# Altium PCB BB.PcbDoc (part 4 of 6)
Units mm, origin at the board's own origin, x right, y up, seen from the top; angles counter-clockwise.
Board outline 170.18 x 88.9 mm, 4 copper layers (Component Side, Ground Plane, Power Plane, Solder Side), stack 1.554 mm thick; 420 components, 358 nets, 1634 pads, 962 vias.
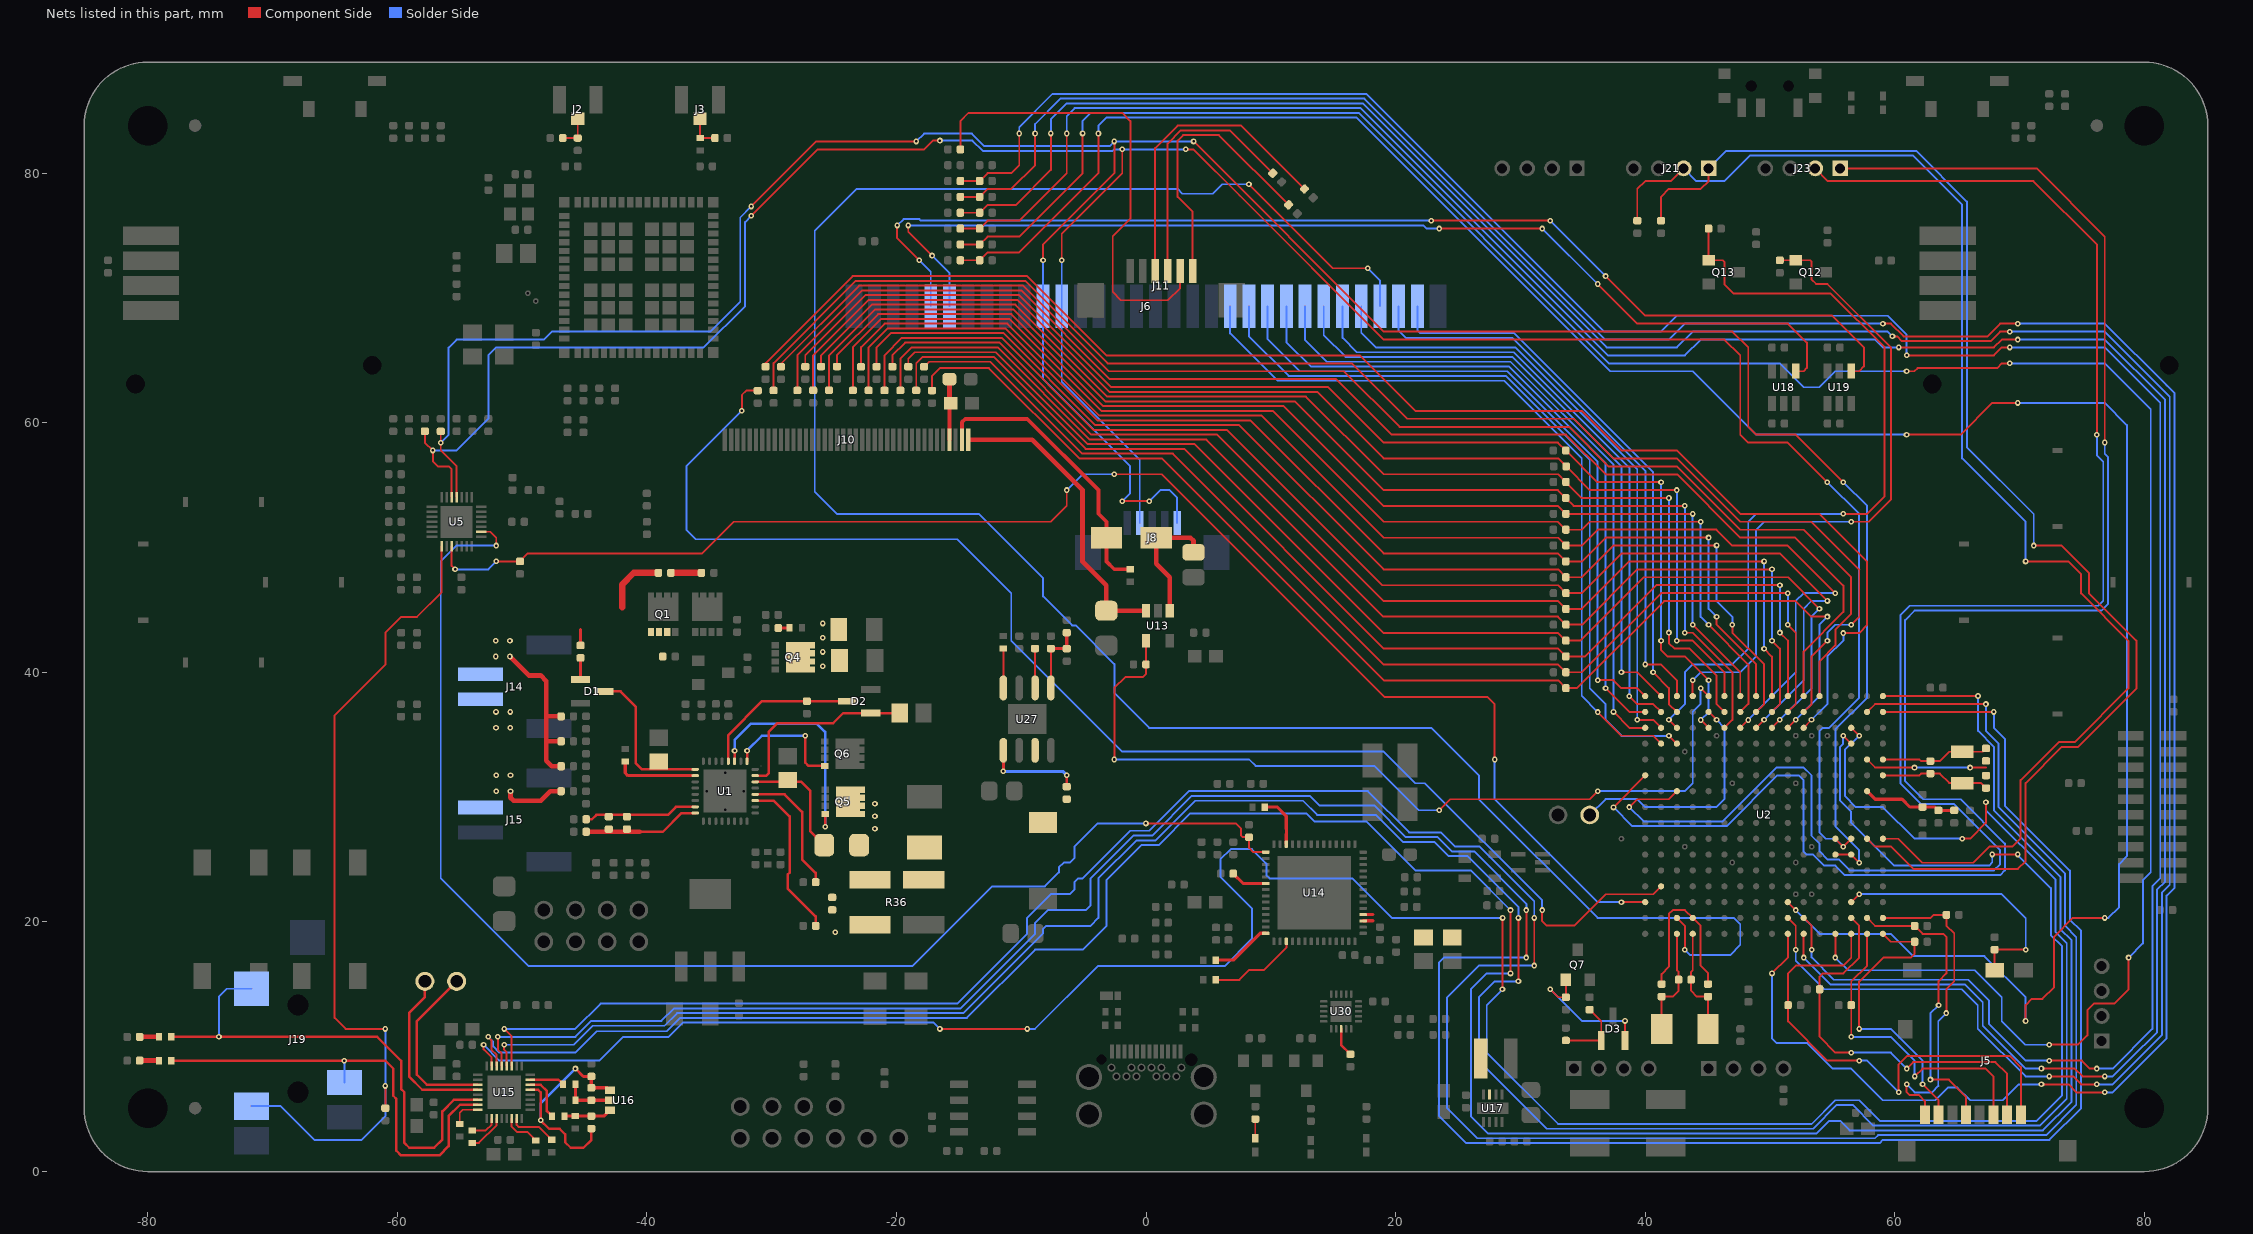
[diagram p6: the nets of this part, all layers, seen from the top]

## Via types
v1: diameter 0.457, hole 0.203, Component Side to Solder Side, tented both sides, 907 vias
v2: diameter 0.5, hole 0.203, Component Side to Solder Side, 32 vias
v3: diameter 0.61, hole 0.254, Component Side to Solder Side, tented both sides, 9 vias
v4: diameter 0.5, hole 0.203, Component Side to Solder Side, tented both sides, 8 vias
v5: diameter 0.457, hole 0.203, Component Side to Solder Side, 6 vias

## Nets (pads, with @x,y where several pads share a name; then routed paths per layer and width w, separated by ;. In a path a pad name is that pad's centre, name@x,y a point inside that pad or via, vN(x,y) a via of type N, cw(c..) or ccw(c..) an arc to the next point about the centre after c; other vN are vias at no path point) (continued)
GPIO6: J23.1 U2.T6 | length 139.1
  Component Side w0.152: v1(37.465,29.178) 37.465,29.21 U2.T6@40.005,31.75 ; J23.1@55.626,80.391 71.365,80.391 76.835,74.921 v1(76.835,58.424)
  Solder Side w0.152: v1(37.465,29.178) 38.957,27.686 46.536,27.686 50.6,31.75 52.324,31.75 52.688,31.386 52.688,25.671 52.959,25.4 53.467,25.4 54.357,24.51 55.247,24.51 56.008,23.749 68.453,23.749 68.834,24.13 68.834,26.284 65.281,29.837 62.274,29.837 60.833,31.278 60.833,44.196 61.597,44.96 76.583,44.96 77.089,45.466 77.089,57.277 76.835,57.531 v1(76.835,58.424)
GPIO7: J23.2 U2.P7 | length 138.6
  Component Side w0.152: v1(38.735,29.21) 39.36,29.835 41.9,29.835 U2.P7@42.545,30.48 ; J23.2@53.626,80.391 54.642,79.375 71.12,79.375 76.2,74.295 v1(76.2,59.055)
  Solder Side w0.152: v1(38.735,29.21) 39.878,28.067 46.201,28.067 50.527,32.394 52.688,32.394 53.331,31.75 53.331,26.924 53.975,26.28 53.975,25.653 54.609,25.019 55.507,25.019 56.396,24.13 67.945,24.13 68.453,24.638 68.453,25.759 64.77,29.442 62.136,29.442 60.452,31.126 60.452,44.577 61.214,45.339 76.318,45.339 76.708,45.729 76.708,56.896 76.2,57.404 v1(76.2,59.055)
GPIO_INT_N: R69.2 U2.T14 U5.10 | length 119.9
  Component Side w0.152: U5.10@-55.645,50.095 -55.645,48.533 v1(-55.372,48.26) ; v1@-52.07,48.895 R69.2@-50.17,48.895 -49.535,49.53 -35.56,49.53 -33.02,52.07 -7.629,52.07 -6.352,53.347 v1(-6.352,54.612) ; v1(-2.544,55.88) 1.264,55.88 19.102,38.042 27.344,38.042 27.94,37.446 v1(27.94,33.02) ; v1(38.1,21.59) U2.T14@40.005,21.59
  Solder Side w0.152: v1(-55.372,48.26) -52.705,48.26 v1(-52.069,48.896) ; v1(-6.352,54.612) -5.084,55.88 v1(-2.544,55.88) ; v1(27.94,33.02) 27.94,29.842 36.192,21.59 v1(38.1,21.59)
HIDRV: Q5.4 U1.27 | length 18.4
  Component Side w0.203: U1.27@-32.973,32.88 v1(-32.973,33.73) ; v1(-25.708,27.64) Q5.4@-25.708,28.655
  Solder Side w0.203: v1(-32.973,33.73) -32.973,34.591 -31.689,35.875 -26.35,35.875 -25.708,35.233 v1(-25.708,27.64)
HP_DETECT_N: J19.4 R130.2 U5.8 | length 67.9
  Component Side w0.152: R130.2@-60.96,5.08 v1(-60.96,6.858) ; v1(-60.96,11.43) -64.135,11.43 -65.024,12.319 -65.024,36.568 -60.96,40.632 -60.96,43.188 -59.698,44.45 -58.42,44.45 -56.445,46.425 U5.8@-56.445,50.095
  Solder Side w0.152: J19.4@-71.695,5.25 -69.356,5.25 -66.646,2.54 -62.865,2.54 -60.96,4.445 v1(-60.96,6.858) v1(-60.96,11.43)
HSRN: C39.1 C41.1 R36.4 U1.19 | length 13
  Component Side w0.203: U1.19@-31.323,29.73 -29.845,29.73 -28.567,28.452 -28.567,23.944 -28.723,23.788 -28.723,22.692 -26.47,20.439 C41.1@-26.47,19.688
  other v1: -24.892,19.188
HSRP: C39.2 C40.1 R36.3 U1.20 | length 10.4
  Component Side w0.203: U1.20@-31.323,30.23 -28.964,30.23 -27.559,28.825 -27.559,25.019 -26.47,23.93 C40.1@-26.47,23.188
I2C0_SCL: J6.21 J8.4 R50.2 U2.C10 U2.D10 U5.26 | length 220.3
  Component Side w0.152: R50.2@-57.785,59.325 -57.785,58.42 v1(-57.15,57.785) -57.125,57.76 -57.125,56.896 -56.744,56.515 -55.88,56.515 -55.645,56.28 U5.26@-55.645,54.045 ; v1(-31.623,76.598) -26.308,81.912 -17.783,81.912 -17.076,82.619 v1(-16.51,82.619) ; v1(-6.753,73.025) -6.753,75.155 -1.899,80.009 v1(-1.899,81.912) ; v1(3.175,81.915) 3.803,81.915 7.493,78.225 7.493,78.232 19.05,66.675 36.195,66.675 46.355,66.675 47.625,65.405 47.625,59.055 48.26,58.42 51.426,58.42 v1(54.601,55.245) ; U2.D10@55.245,26.67 v1(55.88,26.035) U2.C10@56.515,26.67
  Solder Side w0.152: v1(-57.15,57.785) -55.245,57.785 -52.705,60.325 -52.705,65.413 -52.078,66.04 -35.438,66.04 -32.131,69.347 -32.131,76.09 v1(-31.623,76.598) ; v1(-16.51,82.619) -13.912,82.619 -13.081,81.788 -2.666,81.788 -2.542,81.912 v1(-1.899,81.912) -1.897,81.915 v1(3.175,81.915) ; v1(-6.753,73.025) J6.21@-6.753,69.342 -6.753,63.276 -0.5,57.023 J8.4@-0.5,51.975 ; 53.967,27.178 54.475,26.67 55.245,26.67 v1(55.88,26.035) ; 53.975,27.178 53.975,35.306 54.229,35.56 54.738,35.56 57.15,37.972 57.15,52.697 v1(54.601,55.245)
I2C0_SDA: J6.22 J8.1 R49.2 U2.C11 U2.D11 U5.25 | length 228.8
  Component Side w0.152: R49.2@-56.515,59.317 v1(-56.515,58.411) -56.515,57.785 -55.245,56.515 U5.25@-55.245,54.045 ; v1(-31.623,77.343) -26.416,82.55 v1(-18.415,82.55) ; v1(-8.252,73.025) -8.252,74.298 -2.54,80.01 v1@-2.54,82.55 ; v1(-1.899,53.721) v1(0.254,53.721) ; v1(3.81,82.55) 19.05,67.31 36.195,67.31 46.99,67.31 48.26,66.04 48.26,59.69 48.895,59.055 52.07,59.055 v1(55.88,55.245) ; U2.D11@55.245,25.4 56.5,25.4 v1(57.15,24.75)
  Solder Side w0.152: v1(-56.515,58.411) -55.887,59.039 -55.887,66.033 -55.245,66.675 -48.26,66.675 -47.625,67.31 -34.917,67.31 -32.512,69.715 -32.512,76.454 v1(-31.623,77.343) ; v1(-18.415,82.55) -17.782,83.183 -13.959,83.183 -12.945,82.169 -2.923,82.169 v1(-2.542,82.55) v1(3.81,82.55) ; v1(-8.252,73.025) J6.22@-8.252,69.342 -8.252,63.506 -1.272,56.525 -1.272,54.348 v1(-1.899,53.721) ; v1(0.254,53.721) 1.145,54.612 1.903,54.612 2.5,54.015 J8.1@2.5,51.975 ; v1(55.88,55.245) 57.785,53.34 57.785,37.973 55.247,35.435 55.247,27.67 55.677,27.24 57.15,25.767 v1(57.15,24.75)
I2C2_SCL: J21.1 R95.2 U2.B10 | length 108.4
  Component Side w0.152: R95.2@41.275,76.2 41.275,78.105 41.91,78.74 44.45,78.74 45.085,79.375 J21.1@45.085,80.391 ; U2.B10@57.785,26.67 58.42,26.035 59.72,26.035 61.498,24.257 69.865,24.257 70.485,24.877 70.485,31.124 73.397,34.036 74.702,34.036 79.375,38.709 79.375,42.545 75.565,46.355 75.565,47.987 73.387,50.165 v1(71.139,50.165)
  Solder Side w0.152: J21.1@45.085,80.391 46.482,81.788 61.722,81.788 65.786,77.724 65.786,58.046 71.139,52.693 v1(71.139,50.165)
I2C2_SDA: J21.2 R96.2 U2.A10 | length 107.4
  Component Side w0.152: R96.2@39.37,76.2 39.37,78.74 40.005,79.375 42.069,79.375 J21.2@43.085,80.391 ; U2.A10@59.055,26.67 60.277,26.67 62.201,24.746 66.284,24.746 67.573,26.035 69.406,26.035 70.096,26.725 70.096,31.369 73.143,34.417 74.426,34.417 78.723,38.714 78.723,42.536 74.93,46.329 74.93,47.879 73.914,48.895 v1(70.485,48.895)
  Solder Side w0.152: J21.2@43.085,80.391 44.101,79.375 46.355,79.375 48.387,81.407 61.468,81.407 65.405,77.47 65.405,57.143 70.485,52.063 v1(70.485,48.895)
I2C_USB_IRQ_N: R150.2 U5.16 U14.43 | length 108.7
  Component Side w0.152: U5.16@-53.27,51.27 -52.54,51.27 -52.07,50.8 v1(-52.07,50.165) ; v1(-0.002,27.896) 7.183,27.896 7.62,27.459 7.62,26.924 7.747,26.797 R150.2@8.255,26.797 8.255,25.931 8.594,25.592 U14.43@9.594,25.592
  Solder Side w0.152: v1(-52.07,50.165) -55.26,50.165 -56.515,48.91 -56.515,23.495 -49.482,16.462 -18.717,16.462 -12.328,22.851 -8.1,22.851 -6.985,23.966 -6.985,24.368 -6.588,24.765 -6.091,24.765 -5.74,25.116 -5.74,26.01 -3.854,27.896 v1(-0.002,27.896)
LCD_AC_BIAS_EN: R123.1 U2.E1 | length 108.9
  Component Side w0.152: R123.1@-29.25,64.5 -29.25,64.74 -22.99,71 -9.838,71 -2.973,64.135 15.864,64.135 20.319,59.68 33.919,59.68 37.103,56.496 42.568,56.496 47.629,51.435 52.705,51.435 56.506,47.634 56.506,44.684 55.251,43.429 55.251,42.171 53.975,40.895 U2.E1@53.975,38.1
LCD_DATA0: R5.2 R93.1 U2.G3 | length 97.5
  Component Side w0.152: R93.1@-17.145,62.586 -17.145,63.754 -16.51,64.389 -12.589,64.389 -5.35,57.15 1.259,57.15 19.05,39.359 33.031,39.359 R5.2@33.655,38.735 34.535,38.735 41.52,45.72 52.073,45.72 53.316,44.477 v1(54.609,44.477) ; U2.G3@51.426,35.56 v1(52.061,36.195)
  Solder Side w0.152: v1(52.061,36.195) 53.967,38.1 53.967,43.834 v1(54.609,44.477)
LCD_DATA1: R4.2 R94.1 U2.G2 | length 92.4
  Component Side w0.152: R94.1@-17.78,64.5 -17.383,64.897 -12.462,64.897 -5.096,57.531 2.148,57.531 19.03,40.649 33.015,40.649 R4.2@33.655,40.009 34.932,40.009 41.274,46.351 v1(51.434,46.351) ; U2.G2@51.435,36.83 52.07,37.465 52.07,43.167 51.434,43.803 v1(51.434,43.811)
  Solder Side w0.152: v1(51.434,43.811) v1(51.434,46.351)
LCD_DATA2: R3.2 R128.1 U2.G1 | length 93.1
  Component Side w0.152: R128.1@-18.415,62.595 -18.415,64.77 -17.907,65.278 -12.208,65.278 -4.842,57.912 3.048,57.912 19.05,41.91 33.017,41.91 R3.2@33.644,41.284 35.192,41.284 40.899,46.99 v1(50.799,46.99) ; v1(50.799,43.192) 51.435,42.556 U2.G1@51.435,38.1
  Solder Side w0.152: v1(50.799,43.192) v1(50.799,46.99)
LCD_DATA3: R16.1 R141.1 U2.H3 | length 97.7
  Component Side w0.152: R141.1@-19.05,64.5 -19.05,65.151 -18.542,65.659 -12.05,65.659 -4.684,58.293 3.9,58.293 19.038,43.154 33.035,43.154 R16.1@33.644,42.545 34.798,42.545 39.878,47.625 51.453,47.625 v1(53.967,45.112) ; U2.H3@50.156,35.56 v1(50.791,36.195)
  Solder Side w0.152: v1(50.791,36.195) 53.34,38.744 53.34,44.485 v1(53.967,45.112)
LCD_DATA4: R2.2 R142.1 U2.H2 | length 95.8
  Component Side w0.152: R142.1@-19.685,62.595 -19.685,65.146 -18.785,66.046 -11.89,66.046 -4.494,58.65 4.846,58.65 19.02,44.477 33.001,44.477 R2.2@33.655,43.823 34.941,43.823 39.378,48.26 v1(50.165,48.26) ; U2.H2@50.165,36.83 50.8,37.465 50.8,41.91 v1(50.165,42.545)
  Solder Side w0.152: v1(50.165,42.545) v1(50.165,48.26)
LCD_DATA5: R15.1 R143.1 U2.H1 | length 92.7
  Component Side w0.152: R143.1@-20.326,64.5 -20.326,65.398 -19.303,66.421 -11.734,66.421 -4.368,59.055 5.709,59.055 19.044,45.72 33.02,45.72 R15.1@33.655,45.085 34.932,45.085 38.742,48.895 v1(49.53,48.895) ; v1(49.53,41.901) 50.165,41.266 U2.H1@50.165,38.1
  Solder Side w0.152: v1(49.53,41.901) v1(49.53,48.895)
LCD_DATA6: R14.1 R144.1 U2.J3 | length 103.6
  Component Side w0.152: R144.1@-20.955,62.595 -20.955,65.411 -19.564,66.802 -11.577,66.802 -4.211,59.436 6.475,59.436 18.93,46.981 33.025,46.981 R14.1@33.655,46.351 34.928,46.351 38.099,49.522 50.817,49.522 v1(54.61,45.729) ; U2.J3@48.895,35.56 v1(49.53,36.195)
  Solder Side w0.152: v1(49.53,36.195) 52.707,39.372 52.707,45.104 53.331,45.729 v1(54.61,45.729)
LCD_DATA7: R13.1 R145.1 U2.J2 | length 93.7
  Component Side w0.152: R145.1@-21.59,64.5 -21.59,66.04 -20.447,67.183 -11.419,67.183 -4.053,59.817 7.476,59.817 19.038,48.255 33.025,48.255 R13.1@33.655,47.625 34.921,47.625 37.472,50.176 v1(45.72,50.176) ; v1(46.99,43.811) 46.99,43.18 49.53,40.64 49.53,37.465 U2.J2@48.895,36.83
  Solder Side w0.152: v1(45.72,50.176) 45.72,45.72 46.99,44.45 v1(46.99,43.811)
LCD_DATA8: R12.1 R146.1 U2.J1 | length 94.2
  Component Side w0.152: R146.1@-22.225,62.595 -22.225,66.04 -20.701,67.564 -11.261,67.564 -3.895,60.198 8.371,60.198 19.039,49.53 33.009,49.53 R12.1@33.644,48.895 34.941,48.895 36.854,50.807 v1(45.085,50.807) ; v1(45.72,44.45) 45.72,43.823 48.895,40.648 U2.J1@48.895,38.1
  Solder Side w0.152: v1(45.085,50.807) 45.085,45.085 v1(45.72,44.45)
LCD_DATA9: R11.1 R151.1 U2.K3 | length 105.9
  Component Side w0.152: R151.1@-22.838,64.5 -22.838,66.062 -20.955,67.945 -11.103,67.945 -3.737,60.579 9.26,60.579 19.047,50.792 33.04,50.792 R11.1@33.655,50.176 34.943,50.176 36.213,51.446 45.709,51.446 46.99,50.165 51.431,50.165 v1(55.245,46.351) ; U2.K3@47.625,35.551 v1(48.26,36.186)
  Solder Side w0.152: v1(48.26,36.186) 52.07,39.996 52.07,45.729 52.692,46.351 v1(55.245,46.351)
LCD_DATA10: R10.1 R152.1 U2.K2 | length 96.7
  Component Side w0.152: R152.1@-23.495,62.595 -23.495,66.04 -21.209,68.326 -10.945,68.326 -3.579,60.96 10.149,60.96 19.039,52.07 33.009,52.07 R10.1@33.644,51.435 34.921,51.435 35.556,52.07 v1(44.45,52.07) ; v1(45.085,43.811) 48.27,40.625 48.27,37.475 U2.K2@47.625,36.83
  Solder Side w0.152: v1(44.45,52.07) 44.45,44.446 v1(45.085,43.811)
LCD_DATA11: R9.1 R163.1 U2.K1 | length 93.6
  Component Side w0.152: R163.1@-24.765,64.509 -24.765,65.413 -21.471,68.707 -10.788,68.707 -3.422,61.341 11.038,61.341 19.031,53.347 33.016,53.347 R9.1@33.655,52.709 33.667,52.696 v1(43.806,52.696) ; v1(43.806,43.815) 47.625,39.996 U2.K1@47.625,38.1
  Solder Side w0.152: v1(43.806,43.815) v1(43.806,52.696)
LCD_DATA12: R8.1 R173.1 U2.L3 | length 99.4
  Component Side w0.152: R173.1@-25.4,62.604 -25.4,65.4 -21.712,69.088 -10.63,69.088 -3.264,61.722 11.927,61.722 19.039,54.61 33.009,54.61 R8.1@33.644,53.975 34.271,53.347 v1(43.18,53.347) ; v1(43.18,43.18) 43.815,43.18 46.99,40.005 46.99,36.195 U2.L3@46.355,35.56
  Solder Side w0.152: v1(43.18,43.18) v1(43.18,53.347)
LCD_DATA13: R7.1 R174.1 U2.L2 | length 96.6
  Component Side w0.152: R174.1@-26.035,64.509 -26.035,65.414 -21.98,69.469 -10.472,69.469 -3.106,62.103 12.816,62.103 19.039,55.88 33.028,55.88 R7.1@33.655,55.253 34.933,53.975 v1(41.91,53.975) ; v1(41.91,43.192) 41.91,42.345 42.353,41.901 43.57,41.901 45.72,39.751 45.72,37.465 U2.L2@46.355,36.83
  Solder Side w0.152: v1(41.91,43.192) v1(41.91,53.975)
LCD_DATA14: R1.2 R175.1 U2.L1 | length 99
  Component Side w0.152: R175.1@-26.67,62.604 -26.67,65.415 -22.235,69.85 -10.314,69.85 -2.948,62.484 13.705,62.484 19.039,57.15 33.032,57.15 R1.2@33.667,56.515 35.572,54.61 v1(42.54,54.61) ; v1(42.54,42.545) 43.806,42.545 46.355,39.996 U2.L1@46.355,38.1
  Solder Side w0.152: v1(42.54,42.545) v1(42.54,54.61)
LCD_DATA15: R6.1 R176.1 U2.M3 | length 100.3
  Component Side w0.152: R176.1@-27.305,64.509 -27.305,65.415 -22.489,70.231 -10.156,70.231 -2.79,62.865 14.594,62.865 19.039,58.42 33.009,58.42 R6.1@33.644,57.785 36.175,55.253 v1@41.275,55.253 ; v1(41.275,42.545) 41.275,41.783 41.774,41.284 43.172,41.284 v1(45.085,39.37) ; v1(44.45,36.186) U2.M3@45.085,35.551
  Solder Side w0.152: v1(41.275,42.545) v1(41.275,55.245) ; v1(44.45,36.186) 45.085,36.821 v1(45.085,39.37)
LCD_ENABLE: R177.1 U2.R13 | length 109.8
  Component Side w0.152: v1(-32.385,60.96) -32.385,62.23 -32.029,62.586 R177.1@-31.115,62.586 ; v1(31.75,20.955) 31.75,20.065 32.1,19.715 34.318,19.715 36.828,22.225 40.64,22.225 U2.R13@41.275,22.86
  Solder Side w0.152: v1(-32.385,60.96) -36.838,56.507 -36.838,51.435 -36.071,50.667 -15.107,50.667 -10.795,46.355 -10.795,42.54 -1.91,33.655 19.05,33.655 21.59,31.115 22.357,31.115 31.75,21.722 v1(31.75,20.955)
LCD_HSYNC: R179.1 U2.F2 | length 115.5
  Component Side w0.152: R179.1@-29.845,62.595 -29.845,64.78 -23.251,71.374 -9.683,71.374 -3.079,64.77 16.499,64.77 20.944,60.325 34.283,60.325 37.458,57.15 42.545,57.15 47.625,52.07 53.323,52.07 57.166,48.227 ; U2.F2@52.705,36.83 53.34,37.465 53.34,41.275 v1(54.61,42.545) ; v1(56.515,43.815) 57.159,44.459 57.159,48.22
  Solder Side w0.152: v1(54.61,42.545) 54.61,43.187 55.238,43.815 v1(56.515,43.815)
LCD_PCLK: R180.1 U2.F1 | length 108.8
  Component Side w0.152: R180.1@-27.94,62.595 -27.94,65.415 -22.74,70.615 -9.997,70.615 -2.891,63.509 15.232,63.509 19.685,59.055 33.655,59.055 36.842,55.868 42.557,55.868 47.618,50.807 52.03,50.807 55.88,46.957 55.88,44.847 52.705,41.672 U2.F1@52.705,38.1
LCD_TOUCH_INT_N: J11.5 R127.2 | length 38.2
  Component Side w0.152: R127.2@-14.875,81.912 -14.875,84.185 -14.224,84.836 -1.91,84.836 -1.247,84.173 -1.247,76.352 -2.667,74.932 -2.667,70.485 -2.007,69.825 1.753,69.825 2.728,70.8 J11.5@2.728,72.175
LCD_TOUCH_RESET_N: J11.6 R126.2 | length 22.3
  Component Side w0.152: J11.6@3.728,72.175 3.728,76.916 2.54,78.104 2.54,82.619 2.979,83.058 5.837,83.058 R126.2@11.425,77.47
LCD_TOUCH_SCL: J11.3 R124.2 | length 24.7
  Component Side w0.152: J11.3@0.728,72.175 0.728,82.008 2.54,83.82 7.62,83.82 R124.2@12.7,78.74
LCD_TOUCH_SDA: J11.4 R125.2 | length 20.5
  Component Side w0.152: J11.4@1.728,72.175 1.728,82.378 2.789,83.439 6.731,83.439 R125.2@10.16,80.01
LCD_VSYNC: R178.1 U2.F3 | length 117.1
  Component Side w0.152: R178.1@-30.48,64.5 -30.48,64.78 -23.505,71.755 -9.525,71.755 -3.175,65.405 17.137,65.405 21.582,60.96 34.925,60.96 38.1,57.785 42.545,57.785 47.621,52.709 53.971,52.709 57.794,48.886 57.794,43.803 57.145,43.154 v1(55.88,43.154) ; U2.F3@52.696,35.56 v1(53.331,36.195)
  Solder Side w0.152: v1(53.331,36.195) 54.601,37.465 54.601,41.275 55.88,42.554 v1(55.88,43.154)
LED0: Q12.1 R129.1 U2.N1 | length 53.9
  Component Side w0.152: v1(43.81,39.37) 43.81,38.105 U2.N1@43.815,38.1 ; R129.1@50.791,73.025 Q12.1@52.07,73.025 53.213,73.025 53.34,72.898 53.34,71.485 53.7,71.125 54.605,71.125 59.69,66.04 59.69,53.834 57.926,52.07 v1(56.515,52.07)
  Solder Side w0.152: v1(43.81,39.37) 44.449,40.009 47.625,40.009 48.895,41.279 48.895,51.435 49.53,52.07 v1(56.515,52.07)
LED1: Q13.1 R170.1 U2.P3 | length 65.5
  Component Side w0.152: v1(41.91,36.195) U2.P3@42.545,35.56 ; R170.1@45.085,75.565 Q13.1@45.085,73.025 46.228,73.025 46.355,72.898 46.355,71.12 47.117,70.358 54.864,70.358 59.182,66.04 59.182,54.102 57.785,52.705 v1(55.866,52.705)
  Solder Side w0.152: v1(41.91,36.195) 43.18,37.465 43.18,40.014 43.81,40.644 46.994,40.644 48.26,41.91 48.26,52.07 48.895,52.705 v1(55.866,52.705)
LED_BACKLIGHT_PWM: R106.1 U2.M1 U13.4 | length 69.1
  Component Side w0.152: v1(-2.54,33.02) -2.54,38.75 -1.666,39.624 -0.245,39.624 -0.002,39.867 R106.1@-0.002,40.64 ; R106.1@0.003,40.645 U13.4@0.003,42.545 ; v1(23.495,28.956) 24.374,29.835 35.55,29.835 v1(36.195,30.48) ; v1(44.448,38.738) U2.M1@45.085,38.1
  Component Side w0.305: R106.1@-0.002,40.64 R106.1@0.003,40.645
  Solder Side w0.152: v1(-2.54,33.02) 8.264,33.02 8.779,32.505 18.304,32.505 21.853,28.956 v1(23.495,28.956) ; v1(36.195,30.48) 43.169,30.48 43.815,31.126 43.815,36.839 44.448,37.471 v1(44.448,38.738)
LED_N: J10.1 R107.1 U13.3 | length 24.4
  Component Side w0.381: J10.1@-14.175,58.65 -9.12,58.65 -5.082,54.612 -5.082,48.886 -3.177,46.981 R107.1@-3.177,44.945 U13.3@0.003,44.945
LED_P: C49.2 D4.2 J10.2 | length 22.7
  Component Side w0.305: J10.2@-14.75,58.928 -14.75,60.053 -14.486,60.317 -9.522,60.317 -3.81,54.605 -3.81,52.709 -3.177,52.076 D4.2@-3.177,50.792 -3.177,48.895 -2.542,48.26 C49.2@-1.272,48.26
LODRV: Q6.4 U1.25 | length 9.8
  Component Side w0.203: U1.25@-31.973,32.88 v1(-31.973,33.73) ; v1(-27.305,34.925) -27.305,32.766 -27.044,32.505 Q6.4@-25.748,32.505
  Solder Side w0.203: v1(-31.973,33.73) -30.778,34.925 v1(-27.305,34.925)
MCASP0_ACLKX: U2.A1 U15.14 | length 211.2
  Component Side w0.152: v1(-52.705,10.795) -52.451,10.541 -52.451,9.76 -52.04,9.349 U15.14@-52.04,8.454 ; v1(29.21,15.875) v1(29.21,20.955) ; U2.A1@59.055,38.1 59.065,38.11 v1(66.675,38.11)
  Solder Side w0.152: v1(-52.705,10.795) -52.324,10.414 -52.324,10.033 -51.816,9.525 -45.728,9.525 -44.008,11.246 -38.39,11.246 -37.316,12.319 -14.351,12.319 -8.89,17.78 -5.08,17.78 -3.159,19.701 -3.159,23.384 -0.381,26.162 1.016,26.162 3.556,28.702 12.85,28.702 13.485,28.067 17.657,28.067 21.594,24.13 26.035,24.13 v1(29.21,20.955) ; v1(29.21,15.875) 27.305,15.875 26.035,14.605 26.035,4.445 27.432,3.048 53.721,3.048 54.737,4.064 55.626,4.064 56.388,3.302 71.882,3.302 74.168,5.588 74.168,18.528 73.279,19.417 73.279,23.622 67.945,28.956 67.945,34.036 66.675,35.306 v1(66.675,38.11)
MCASP0_AHCLKX: U2.C4 U15.15 | length 208.5
  Component Side w0.152: v1(-53.086,10.16) -53.086,9.787 -52.44,9.141 U15.15@-52.44,8.454 ; v1(-16.51,11.43) v1(-9.525,11.43) ; v1(28.566,14.605) 28.575,14.614 v1(28.575,20.32) ; v1(55.88,34.933) U2.C4@56.515,34.299 ; v1(67.818,25.414) v1(69.85,25.414)
  Solder Side w0.152: v1(-53.086,10.16) -51.816,8.89 -43.815,8.89 -41.91,10.795 -38.254,10.795 -37.114,11.935 -17.015,11.935 v1(-16.51,11.43) ; v1(-9.525,11.43) -8.895,11.43 -3.863,16.462 6.302,16.462 8.494,18.654 8.494,21.097 5.969,23.622 5.969,25.019 6.797,25.847 8.481,25.847 9.652,24.676 9.652,23.749 9.906,23.495 16.515,23.495 19.69,20.32 v1(28.575,20.32) ; v1(28.566,14.605) 28.575,14.605 27.305,13.335 27.305,9.523 33.018,3.81 53.34,3.81 55.245,5.715 57.15,5.715 58.801,4.064 71.374,4.064 73.406,6.096 73.406,18.055 72.517,18.944 72.517,22.718 v1@69.836,25.399 ; v1@55.866,34.933 55.866,34.276 55.626,34.036 55.626,29.718 56.512,28.832 56.512,27.951 59.945,24.519 67.564,24.519 67.818,24.773 v1(67.818,25.414)
MCASP0_AXR0: U2.B2 U15.11 | length 217.9
  Component Side w0.152: v1(-51.44,11.43) -50.84,10.83 U15.11@-50.84,8.454 ; v1(31.115,16.51) v1(31.115,20.323) ; U2.B2@57.785,36.83 58.42,37.465 v1(67.31,37.465)
  Solder Side w0.152: v1(-51.44,11.43) -45.735,11.43 -43.703,13.462 -15.113,13.462 -9.525,19.05 -9.525,20.32 -7.615,22.23 -6.091,22.23 -5.715,22.606 -5.715,23.206 -5.426,23.495 -5.08,23.495 -1.266,27.309 0.258,27.309 3.429,30.48 17.78,30.48 21.082,27.178 23.622,27.178 24.765,26.035 26.727,26.035 31.115,21.647 v1(31.115,20.323) ; v1(31.115,16.51) 26.67,16.51 24.13,13.97 24.13,5.08 26.543,2.667 58.42,2.667 58.674,2.921 72.136,2.921 74.549,5.334 74.549,18.784 73.651,19.682 73.651,23.87 68.326,29.195 68.326,34.29 67.31,35.306 v1(67.31,37.465)
MCASP0_AXR1: U2.C3 U15.12 | length 210.8
  Component Side w0.152: v1(-51.44,10.16) -51.44,9.776 -51.24,9.576 U15.12@-51.24,8.454 ; v1(29.845,15.24) v1(29.845,20.32) ; U2.C3@56.515,35.56 v1(57.15,34.925) ; v1(65.401,26.678) 66.052,26.678 67.31,27.936 v1(67.31,29.591)
  Solder Side w0.152: v1(-51.44,10.16) -45.847,10.16 -44.323,11.684 -38.586,11.684 -37.58,12.691 -14.63,12.691 -8.255,19.066 -8.255,19.431 -8.001,19.685 -4.445,19.685 -3.81,20.32 -3.81,23.488 -0.755,26.543 0.781,26.543 3.956,29.718 12.582,29.718 13.716,28.584 18.407,28.584 20.574,26.416 23.105,26.416 24.248,25.273 25.781,25.273 29.845,21.209 v1(29.845,20.32) ; v1(29.845,15.24) 27.94,15.24 26.67,13.97 26.67,8.886 32.127,3.429 49.53,3.429 53.464,3.429 55.369,5.334 56.642,5.334 58.293,3.683 71.628,3.683 73.787,5.842 73.787,18.289 72.898,19.178 72.898,23.376 67.314,28.96 v1@67.314,29.591 ; v1(57.15,34.925) 56.007,33.782 56.007,30.099 56.896,29.21 59.055,29.21 61.587,26.678 v1(65.401,26.678)
MCASP0_FSX: U2.A2 U15.13 | length 219.1
  Component Side w0.152: v1(-51.94,10.795) -51.94,9.776 -51.64,9.476 U15.13@-51.64,8.454 ; v1(30.48,17.145) v1(30.48,20.955) ; U2.A2@59.055,36.83 59.064,36.839 59.072,36.83 v1(67.945,36.83)
  Solder Side w0.152: v1(-51.94,10.795) -45.72,10.795 -44.45,12.065 -38.84,12.065 -37.824,13.081 -14.859,13.081 -8.89,19.05 -8.89,19.939 -7.874,20.955 -4.826,20.955 -4.445,21.336 -4.445,23.5 -1.021,26.924 0.508,26.924 3.683,30.099 13.133,30.099 13.895,29.337 18.288,29.337 20.828,26.797 23.368,26.797 24.511,25.654 26.289,25.654 30.48,21.463 v1(30.48,20.955) ; v1(30.48,17.145) 23.876,17.145 23.495,16.764 23.495,4.445 25.654,2.286 58.801,2.286 59.055,2.54 72.39,2.54 74.93,5.08 74.93,19.304 74.041,20.193 74.041,24.123 68.834,29.33 68.834,34.671 67.945,35.56 v1(67.945,36.83)
MMC0_CD: J5.10 R103.2 U2.C14 | length 21.7
  Component Side w0.152: U2.C14@56.515,21.59 v1(57.15,22.225) ; J5.10@68.01,16.126 R103.2@68.01,17.78 v1(70.5,17.78)
  Solder Side w0.152: v1@57.15,22.23 68.575,22.23 70.5,20.305 v1(70.5,17.78)
MMC0_CLK: J5.5 R102.2 U2.B15 | length 23.8
  Component Side w0.152: U2.B15@57.785,20.32 58.42,19.685 R102.2@61.595,19.685 62.23,19.05 63.881,19.05 64.135,18.796 64.135,15.882 63.513,15.26 v1(63.513,13.335) ; v1(62.865,7.369) 64.335,7.369 65.71,5.994 J5.5@65.71,4.551
  Solder Side w0.152: v1(62.865,7.369) 62.865,12.687 v1(63.513,13.335)
MMC0_CMD: J5.3 R101.2 U2.B16 | length 25.8
  Component Side w0.152: v1(56.515,10.795) R101.2@56.515,13.337 56.515,15.24 57.785,16.51 U2.B16@57.785,19.05 ; v1(61.595,7.622) 62.23,8.257 67.278,8.257 67.91,7.625 J5.3@67.91,4.551
  Solder Side w0.152: v1(56.515,10.795) 59.69,10.795 61.595,8.89 v1(61.595,7.622)
MMC0_DAT0: J5.7 R97.2 U2.A16 | length 23.9
  Component Side w0.152: v1(57.152,11.43) 57.152,15.218 59.078,17.145 61.287,17.145 61.595,17.453 R97.2@61.595,18.415 59.69,18.415 U2.A16@59.055,19.05 ; v1(62.23,6.985) 63.51,5.705 J5.7@63.51,4.551
  Solder Side w0.152: v1(57.152,11.43) 59.69,11.43 62.23,8.89 v1(62.23,6.985)
MMC0_DAT1: J5.8 R98.2 U2.A15 | length 26.2
  Component Side w0.152: U2.A15@59.055,20.32 62.888,20.32 63.142,20.574 64.135,20.574 64.135,19.712 64.77,19.078 64.77,15.257 64.135,14.622 v1(64.135,12.7) ; v1(60.96,6.985) 60.96,6.367 61.206,6.121 61.947,6.121 62.419,5.649 J5.8@62.419,4.548
  Solder Side w0.152: v1(60.96,6.985) 61.595,6.35 62.992,6.35 63.5,6.858 63.491,6.867 63.491,12.056 v1(64.135,12.7)
MMC0_DAT2: J5.1 R99.2 U2.C16 | length 39.1
  Component Side w0.152: U2.C16@56.515,19.05 56.515,17.145 55.88,16.51 52.07,16.51 51.452,15.892 R99.2@51.452,13.335 51.452,12.039 54.601,8.89 v1(57.15,8.89) ; v1@60.317,6.35 60.317,8.59 60.998,9.271 69.215,9.271 70.11,8.376 J5.1@70.11,4.551
  Solder Side w0.152: v1(57.15,8.89) 57.785,8.89 v1(60.325,6.35)
MMC0_DAT3: J5.2 R100.2 U2.C15 | length 32
  Component Side w0.152: v1(56.512,9.525) 55.254,9.525 53.975,10.804 R100.2@53.975,14.605 53.975,15.617 54.24,15.882 55.887,15.882 57.15,17.145 57.15,19.685 U2.C15@56.515,20.32 ; v1(60.96,8.255) 61.468,8.763 68.072,8.763 69.01,7.825 J5.2@69.01,4.551
  Solder Side w0.152: v1(56.512,9.525) 59.69,9.525 v1(60.96,8.255)
MMC1_CLK: J6.2 U2.P2 | length 45.5
  Component Side w0.152: v1(40.636,40.009) 41.91,38.735 41.91,37.465 U2.P2@42.545,36.83
  Solder Side w0.152: J6.2@21.747,69.342 21.747,67.426 21.99,67.183 29.511,67.183 40.636,56.057 v1(40.636,40.009)
MMC1_CMD: J6.3 U2.P1 | length 46.2
  Component Side w0.152: v1(40.005,40.64) 41.27,40.64 42.545,39.365 U2.P1@42.545,38.1
  Solder Side w0.152: J6.3@20.247,69.342 20.247,67.383 20.828,66.802 29.353,66.802 40.014,56.141 v1@40.014,40.64
MMC1_DAT0: J6.5 U2.R3 | length 51
  Component Side w0.152: v1(39.37,36.195) 40.64,36.195 U2.R3@41.275,35.56
  Solder Side w0.152: J6.5@17.247,69.342 17.247,67.208 18.415,66.04 29.591,66.04 39.37,56.261 v1(39.37,36.195)
MMC1_DAT1: J6.6 U2.R2 | length 51.2
  Component Side w0.152: v1@38.739,38.104 39.378,37.465 40.64,37.465 U2.R2@41.275,36.83
  Solder Side w0.152: J6.6@15.747,69.342 15.747,66.803 16.891,65.659 29.464,65.659 38.735,56.388 v1(38.735,38.1)
MMC1_DAT2: J6.7 U2.R1 | length 51
  Component Side w0.152: v1(38.1,40.009) 39.366,40.009 U2.R1@41.275,38.1
  Solder Side w0.152: J6.7@14.247,69.342 14.247,67.033 16.002,65.278 29.337,65.278 38.1,56.515 v1(38.1,40.009)
MMC1_DAT3: J6.8 U2.T3 | length 54.4
  Component Side w0.152: v1(37.465,36.83) 38.735,35.56 U2.T3@40.005,35.56
  Solder Side w0.152: J6.8@12.747,69.342 12.747,66.628 14.478,64.897 29.21,64.897 37.465,56.642 v1(37.465,36.83)
MMC1_DAT4: J6.9 U2.T2 | length 54.5
  Component Side w0.152: v1(36.83,38.735) 38.735,36.83 U2.T2@40.005,36.83
  Solder Side w0.152: J6.9@11.247,69.342 11.247,66.477 13.208,64.516 29.083,64.516 36.83,56.769 v1(36.83,38.735)
MMC1_DAT5: J6.10 U2.T1 | length 55
  Component Side w0.152: v1(36.195,39.38) 37.455,39.38 38.1,38.735 39.37,38.735 U2.T1@40.005,38.1
  Solder Side w0.152: J6.10@9.748,69.342 9.748,66.706 12.319,64.135 28.947,64.135 36.195,56.887 v1(36.195,39.38)
MMC1_DAT6: J6.11 U2.P4 | length 61.7
  Component Side w0.152: v1(41.91,34.916) U2.P4@42.545,34.281
  Solder Side w0.152: J6.11@8.247,69.342 8.247,66.937 11.43,63.754 28.829,63.754 35.56,57.023 35.56,38.735 36.83,37.465 36.83,36.204 38.117,34.916 v1(41.91,34.916)
MMC1_DAT7: J6.12 U2.R4 | length 61.5
  Component Side w0.152: v1(36.208,36.821) 38.105,34.925 40.64,34.925 U2.R4@41.275,34.29
  Solder Side w0.152: J6.12@6.748,69.342 6.748,67.166 10.541,63.373 28.702,63.373 34.92,57.155 34.92,38.11 v1(36.208,36.821)
MMC1_SDCD: J6.4 U2.P15 | length 174.6
  Component Side w0.152: v1(8.247,79.121) 14.978,72.39 v1(17.78,72.39) ; U2.P15@42.545,20.32 43.18,19.685 v1(43.18,17.78)
  Solder Side w0.152: v1(8.247,79.121) 6.096,79.121 5.334,78.359 2.921,78.359 2.54,78.74 -23.184,78.74 -26.548,75.376 -26.548,54.488 -24.769,52.709 -13.404,52.709 -8.252,47.557 -8.252,46.094 -5.928,43.77 -5.648,43.77 -2.54,40.662 -2.54,38.35 0.25,35.56 22.86,35.56 26.67,31.75 26.67,29.843 36.19,20.323 47.114,20.323 47.625,19.812 47.625,18.161 46.812,17.348 43.612,17.348 v1(43.18,17.78) ; v1(17.78,72.39) 18.747,71.423 J6.4@18.747,69.342
MMC2_CLK: R84.2 R86.1 U2.D16 | length 193.3
  Component Side w0.152: R86.1@-14.875,74.295 R84.2@-13.335,74.296 -12.7,74.93 -10.16,74.93 -5.08,80.01 v1@-5.08,83.19 ; v1(55.245,17.145) U2.D16@55.245,19.05 ; v1(60.951,64.135) 61.584,64.135 61.838,64.389 68.2,64.389 68.581,64.77 v1(69.215,64.77) ; v1@72.39,10.185 74.705,10.185 75.438,10.918 75.438,12.941 75.959,13.462 77.601,13.462 78.74,14.601 v1(78.74,17.145)
  Solder Side w0.152: v1(-5.082,83.19) -5.08,83.192 -5.08,84.201 -4.445,84.836 17.036,84.836 37.102,64.77 50.791,64.77 52.707,62.854 53.956,62.854 55.236,64.135 v1(60.951,64.135) ; v1(55.245,17.145) 56.261,16.129 66.421,16.129 68.58,13.97 68.58,12.058 70.478,10.16 v1(72.39,10.16) ; v1(69.215,64.77) 76.844,64.77 80.518,61.096 80.518,23.997 79.883,23.362 79.883,18.288 v1(78.74,17.145)
MMC2_CMD: R83.2 R87.1 U2.G14 | length 190.2
  Component Side w0.152: R87.1@-14.875,73.025 R83.2@-13.335,73.025 -12.7,73.66 -10.16,73.66 -3.81,80.01 v1@-3.81,83.185 ; U2.G14@51.435,21.59 v1(52.07,20.955) ; v1(60.951,59.055) 65.278,59.055 67.818,61.595 v1(69.85,61.595) ; v1(70.485,12.065) 70.485,13.331 70.997,13.843 71.84,13.843 72.771,14.774 72.771,18.819 74.275,20.323 v1(76.835,20.323)
  Solder Side w0.152: v1(-3.812,83.185) -3.81,83.187 -3.81,83.814 -3.169,84.455 16.878,84.455 37.198,64.135 43.815,64.135 48.895,59.055 v1(60.951,59.055) ; v1(52.07,20.955) 53.975,19.05 59.69,19.05 61.468,17.272 67.183,17.272 70.485,13.97 v1(70.485,12.065) ; v1(69.85,61.595) 76.835,61.595 78.613,59.817 78.613,25.273 77.978,24.638 77.978,21.183 77.118,20.323 v1(76.835,20.323)
MMC2_DAT0: R82.2 R88.1 U2.F16 | length 202.2
  Component Side w0.152: R88.1@-14.875,75.565 R82.2@-13.335,75.565 -12.7,76.2 -10.16,76.2 -6.35,80.01 v1@-6.35,83.185 ; v1(52.705,17.145) U2.F16@52.705,19.05 ; v1(60.325,66.04) 67.946,66.04 68.581,66.675 v1(69.85,66.675) ; v1@71.755,8.255 74.424,8.255 75.057,7.622 v1(76.835,7.622)
  Solder Side w0.152: v1(-6.352,83.185) -6.35,83.187 -6.35,84.582 -5.715,85.217 17.194,85.217 37.006,65.405 43.18,65.405 44.45,66.675 58.42,66.675 59.055,66.04 v1(60.325,66.04) ; v1(52.705,17.145) 54.864,14.986 65.641,14.986 67.056,13.571 67.056,11.684 70.483,8.257 v1(71.755,8.257) ; v1(69.85,66.675) 76.835,66.675 81.661,61.849 81.661,23.241 81.026,22.606 81.026,11.176 78.87,9.02 78.867,9.02 77.469,7.622 v1(76.835,7.622)
MMC2_DAT1: R81.2 R89.1 U2.G15 | length 205.7
  Component Side w0.152: R89.1@-14.875,76.835 R81.2@-13.335,76.835 -12.7,77.47 -10.414,77.47 -7.62,80.264 v1@-7.62,83.19 ; U2.G15@51.435,20.32 52.07,19.685 v1(52.07,17.78) ; v1(59.817,66.929) 60.198,66.929 60.579,66.548 67.691,66.548 68.453,67.31 v1(69.215,67.31) ; v1(72.39,7.62) 74.295,7.62 74.93,6.985 v1(76.2,6.985)
  Solder Side w0.152: v1(-7.622,83.19) -7.62,83.192 -7.62,84.328 -6.35,85.598 17.352,85.598 36.91,66.04 42.545,66.04 43.812,67.307 59.439,67.307 v1(59.817,66.929) ; v1(52.07,17.78) 52.07,16.891 54.356,14.605 65.384,14.605 66.654,13.335 66.654,11.451 70.485,7.62 v1(72.39,7.62) ; v1(69.215,67.31) 76.835,67.31 82.042,62.103 82.042,22.987 81.407,22.352 81.407,10.922 77.47,6.985 v1(76.2,6.985)
MMC2_DAT2: R80.2 R90.1 U2.G16 | length 212.1
  Component Side w0.152: R90.1@-14.875,78.105 R80.2@-13.335,78.105 -12.7,78.74 -10.795,78.74 -8.89,80.645 v1@-8.89,83.185 ; v1(50.165,15.875) 51.435,17.145 U2.G16@51.435,19.05 ; v1(59.055,67.945) 59.69,67.945 60.706,66.929 67.437,66.929 68.453,67.945 v1(69.85,67.945) ; v1(71.755,6.985) 73.93,6.985 74.565,6.35 v1(76.835,6.35)
  Solder Side w0.152: v1(-8.892,83.185) -8.89,83.187 -8.89,83.947 -6.858,85.979 17.509,85.979 36.813,66.675 41.91,66.675 43.18,67.945 v1(59.055,67.945) ; v1(50.165,15.875) 50.165,10.668 50.546,10.287 53.001,10.287 55.037,8.251 56.519,8.251 59.059,5.711 63.242,5.711 64.262,6.731 65.024,6.731 66.04,5.715 68.675,5.715 69.945,6.985 v1(71.755,6.985) ; v1(69.85,67.945) 76.835,67.945 81.788,62.992 82.423,62.357 82.423,22.742 81.788,22.107 81.788,10.668 77.47,6.35 v1(76.835,6.35)
MMC2_DAT3: R79.2 R91.1 U2.F15 | length 200.9
  Component Side w0.152: R91.1@-14.875,79.375 R79.2@-13.335,79.375 -12.7,80.01 -10.795,80.01 -10.16,80.645 v1@-10.16,83.185 ; U2.F15@52.705,20.32 53.34,19.685 v1(53.34,17.78) ; v1(60.96,65.405) 67.946,65.405 68.581,66.04 v1(69.215,66.04) ; v1(72.381,8.89) 74.997,8.89 75.632,8.255 v1(76.2,8.255)
  Solder Side w0.152: v1(-10.162,83.185) -10.16,83.187 -10.16,83.693 -7.493,86.36 -5.715,86.36 17.667,86.36 36.72,67.307 41.267,67.307 42.54,68.58 59.436,68.58 60.96,67.056 v1(60.96,65.405) ; v1(53.34,17.78) 53.34,17.154 55.126,15.367 65.892,15.367 67.564,13.695 67.564,11.811 70.485,8.89 v1(72.381,8.89) ; v1(69.215,66.04) 76.844,66.04 81.28,61.604 81.28,23.495 80.645,22.86 80.645,11.43 77.47,8.255 v1(76.2,8.255)
NetC1_1: C1.1 C2.1 U2.N15 | length 14
  Component Side w0.152: C1.1@41.326,15.021 41.326,15.824 41.91,16.408 41.91,20.652 42.213,20.955 43.18,20.955 U2.N15@43.815,20.32 44.45,19.685 44.45,16.51 45.034,15.926 C2.1@45.034,15.021
NetC1_2: C1.2 CR1.2 R61.2 U2.P16 | length 8.8
  Component Side w0.152: CR1.2@41.326,11.43 C1.2@41.326,14.021 42.215,14.021 42.68,14.486 R61.2@42.68,15.375 42.68,15.994 42.545,16.129 U2.P16@42.545,19.05
NetC2_2: C2.2 CR1.1 R61.1 U2.N16 | length 8.8
  Component Side w0.152: U2.N16@43.815,19.05 43.815,16.129 43.68,15.994 R61.1@43.68,15.375 43.68,14.486 44.145,14.021 C2.2@45.034,14.021 CR1.1@45.034,11.43
NetC3_2: C3.2 C4.2 R62.1 U2.B7 | length 7.6
  Component Side w0.254: U2.B7@57.785,30.48 58.435,29.83 60.594,29.83 61.214,29.21 R62.1@62.23,29.21 63.227,29.21 C4.2@63.497,28.94 63.5,28.937 C3.2@64.77,28.937
NetC6_1: C6.1 C7.1 U2.B5 | length 9.8
  Component Side w0.152: U2.B5@57.785,33.02 58.42,32.385 v1@61.587,32.385 ; v1@66.037,32.385 67.31,32.385
  Solder Side w0.152: v1(61.587,32.376) v1(66.037,32.376)
NetC6_2: C6.2 R63.2 U2.A6 Y1.1 | length 8.8
  Component Side w0.152: U2.A6@59.055,31.75 61.976,31.75 62.111,31.885 62.73,31.885 63.619,31.885 64.36,31.144 66.901,31.144 C6.2@67.31,30.734
NetC7_2: C7.2 R63.1 U2.A5 Y1.2 | length 8.7
  Component Side w0.152: U2.A5@59.055,33.02 61.976,33.02 62.111,32.885 62.73,32.885 63.619,32.885 64.378,33.644 67.045,33.644 C7.2@67.31,33.909
NetC15_1: C15.1 C16.2 | length 2.5
  Component Side w0.508: C15.1@-38.073,47.98 C16.2@-35.623,47.98
NetC15_2: C15.2 J14.1 Q1.1 Q1.2 Q1.3 R18.1 R20.1 R21.1 R25.1 R29.1 | length 19.9
  Component Side w0.254: R20.1@-45.316,42.164 -45.316,43.434
  Component Side w0.381: v1(-50.972,41.275) -49.45,39.753 -48.505,39.753 -48.057,39.305 -48.057,32.93 -47.607,32.48 R29.1@-46.878,32.48 ; -47.878,34.48 R25.1@-46.878,34.48 ; -47.878,36.48 R21.1@-46.878,36.48
  Component Side w0.508: -41.978,45.212 -41.978,47.044 -41.042,47.98 C15.2@-39.073,47.98
  other v1: -52.115,41.275 -52.115,42.545 -50.972,42.545
NetC18_2: C18.2 U1.2 | length 6.6
  Component Side w0.254: C18.2@-41.735,32.865 -41.735,31.942 -41.523,31.73 U1.2@-36.123,31.73
NetC19_2: C19.2 D1.3 U1.1 | length 12.6
  Component Side w0.203: D1.3@-43.466,38.481 -42.111,38.481 -40.894,37.264 -40.894,32.726 -40.398,32.23 U1.1@-36.123,32.23
NetC22_2: C22.2 R32.1 U1.22 | length 9.5
  Component Side w0.203: U1.22@-31.323,31.23 -27.623,31.23 -26.924,30.531 -26.924,27.302 R32.1@-25.784,26.162
NetC23_2: C23.2 R28.2 | length 0.9
  Component Side w0.254: R28.2@-29.473,43.561 C23.2@-28.579,43.561
NetC25_2: C25.2 D2.3 U1.28 | length 12.8
  Component Side w0.203: U1.28@-33.473,32.88 -33.473,34.98 -30.761,37.692 C25.2@-27.173,37.692 -24.042,37.692 D2.3@-23.907,37.827
NetC26_2: C26.2 C27.2 Q4.5 Q4.6 Q4.7 Q4.8 Q4.TAB Q5.5 Q5.6 Q5.7 Q5.8 Q5.TAB R32.2
  other v1: -21.723,27.48 -21.723,28.48 -21.723,29.48 -25.903,40.494 -25.903,41.637 -25.903,42.78 -25.903,43.923
NetC30_2: C30.2 U14.3 | length 7.2
  Component Side w0.152: C30.2@5.588,15.361 7.478,15.361 8.252,16.135 9.437,16.135 11.244,17.942 U14.3@11.244,18.442
NetC32_2: C32.2 L4.2 U14.17 U14.18 | length 1.6
  Component Side w0.254: U14.17@17.394,20.092 18.194,20.092 ; U14.18@17.394,20.592 18.194,20.592
NetC33_1: C33.1 C34.2 R33.2 U1.8 | length 9.4
  Component Side w0.203: -40.573,27.23 -38.723,27.23 -37.223,28.73 U1.8@-36.123,28.73
  Component Side w0.381: R33.2@-44.858,27.23 -40.573,27.23
NetC33_2: C33.2 C34.1 R35.2 U1.7 | length 9.1
  Component Side w0.203: R35.2@-44.858,28.23 -44.401,28.23 -44.051,28.58 -38.323,28.58 -37.673,29.23 U1.7@-36.123,29.23
NetC35_2: C35.2 D2.1 U1.23 | length 15.6
  Component Side w0.203: U1.23@-31.323,31.73 -30.423,31.73 -30.223,31.93 -30.223,35.251 -29.533,35.941 -25.061,35.941 -24.26,36.742 D2.1@-22.057,36.742 C35.2@-19.741,36.742
NetC43_1: C43.1 J2.3 L3.2 | length 2.7
  Component Side w0.152: L3.2@-46.736,82.825 C43.1@-45.54,82.825 J2.3@-45.54,84.365
NetC44_1: C44.1 J3.3 L6.2 | length 2.7
  Component Side w0.152: J3.3@-35.74,84.365 C44.1@-35.74,82.825 L6.2@-34.544,82.825
NetC62_2: C62.2 J10.4 L8.1 | length 4.9
  Component Side w0.305: J10.4@-15.75,58.65 C62.2@-15.75,61.586
  Component Side w0.381: C62.2@-15.75,61.586 L8.1@-15.75,63.5
NetC63_1: C63.1 R131.1 | length 1.5
  Component Side w0.381: R131.1@-80.645,8.89 C63.1@-79.105,8.89
NetC63_2: C63.2 J19.3 U15.23 | length 36.2
  Component Side w0.203: C63.2@-78.105,8.89 v1@-64.245,8.89 ; v1(-64.245,8.881) -60.951,8.881 -60.325,8.255 -60.325,6.076 -60.071,5.822 -60.071,1.667 -59.697,1.293 -56.619,1.293 -55.88,2.032 -55.88,4.441 -54.967,5.354 U15.23@-53.54,5.354
  Solder Side w0.152: J19.3@-64.245,7.15 v1(-64.245,8.881)
NetC64_1: C64.1 R132.1 | length 1.5
  Component Side w0.381: R132.1@-80.645,10.795 C64.1@-79.105,10.795
NetC64_2: C64.2 J19.2 U15.22 | length 41
  Component Side w0.203: C64.2@-78.105,10.795 v1(-74.295,10.795) -61.604,10.795 -59.69,8.881 -59.69,6.61 -59.436,6.356 -59.436,2.302 -59.039,1.905 -57.055,1.905 -56.388,2.572 -56.388,4.826 -55.46,5.754 U15.22@-53.54,5.754
  Solder Side w0.152: v1(-74.295,10.795) -74.295,14.015 -73.66,14.65 J19.2@-71.695,14.65
NetC65_1: C65.1 U15.6 | length 3.7
  Component Side w0.203: U15.6@-49.34,6.954 -48.514,6.954 -48.006,6.446 -48.006,4.842 C65.1@-47.609,4.445
NetC65_2: C65.2 C70.1 R134.2 U16.3 | length 3.8
  Component Side w0.254: C65.2@-46.609,4.445 C70.1@-45.72,4.445 R134.2@-44.45,4.445 -43.444,4.445 U16.3@-42.966,4.923
NetC66_1: C66.1 U15.7 | length 2.8
  Component Side w0.203: U15.7@-49.34,7.354 -47.089,7.354 C66.1@-46.72,6.985
NetC66_2: C66.2 C69.1 R133.2 U16.2 | length 4
  Component Side w0.254: C66.2@-45.72,6.985 C69.1@-45.72,5.711 R133.2@-44.45,5.711 U16.2@-42.966,5.711
NetC68_2: C68.2 R133.1 R134.1 U15.5 U16.1 | length 19
  Component Side w0.203: U15.5@-49.34,6.554 -48.712,6.554 -48.514,6.357 v1(-48.514,4.103) -47.84,3.429 -46.996,3.429 -46.54,2.973 -46.54,2.344 -46.101,1.905 -45.085,1.905 -44.45,2.54 R134.1@-44.45,3.445
  Component Side w0.254: v1(-45.72,8.255) -45.085,7.62 C68.2@-44.45,7.62 R133.1@-44.45,6.711 -43.179,6.711 U16.1@-42.966,6.498
  Solder Side w0.203: v1(-48.514,4.103) -48.514,5.461 v1(-45.72,8.255)
NetC74_2: C74.2 U14.40 | length 4.3
  Component Side w0.254: C74.2@9.525,29.21 10.521,29.21 11.244,28.487 11.244,27.46 11.252,27.452 11.252,27.032 11.244,27.024 U14.40@11.244,26.242
NetC75_2: C75.2 U14.56 | length 4.9
  Component Side w0.254: C75.2@5.588,16.942 6.994,16.942 9.144,19.092 U14.56@9.594,19.092
NetC81_1: C81.1 U15.27 | length 3.1
  Component Side w0.152: C81.1@-53.975,2.294 -53.459,2.294 -52.04,3.713 U15.27@-52.04,4.254
NetC81_2: C81.2 U15.26 | length 2.2
  Component Side w0.152: C81.2@-53.975,3.294 -52.914,3.294 -52.44,3.768 U15.26@-52.44,4.254
NetC82_2: C82.2 U15.30 | length 3.1
  Component Side w0.152: U15.30@-50.84,4.254 -50.84,3.604 -50.411,3.175 -49.573,3.175 C82.2@-48.895,2.497
NetC83_2: C83.2 U15.24 | length 2.4
  Component Side w0.152: C83.2@-54.991,3.81 -54.991,4.699 -54.736,4.954 U15.24@-53.54,4.954
NetC84_2: C84.2 U15.31 | length 3.8
  Component Side w0.152: U15.31@-50.44,4.254 -50.44,3.743 -50.253,3.556 -48.641,3.556 C84.2@-47.625,2.54
NetC100_2: C100.2 U14.48 | length 2.9
  Component Side w0.254: C100.2@6.985,23.876 7.769,23.092 U14.48@9.594,23.092
NetC106_1: C106.1 L16.2 U27.3
NetC106_2: C106.2 U27.1 | length 7.8
  Component Side w0.203: C106.2@-6.352,30.845 v1(-6.352,31.75)
  Component Side w0.254: v1(-11.43,32.068) U27.1@-11.43,33.758
  Solder Side w0.254: v1(-11.43,32.068) -6.67,32.068 v1(-6.352,31.75)
NetC108_1: C108.1 R167.2 R168.1 U27.5 | length 5.7
  Component Side w0.152: U27.5@-7.62,38.759 R168.1@-7.62,41.91
  Component Side w0.254: R168.1@-7.62,41.91 C108.1@-6.35,41.91 R167.2@-6.35,43.18
NetC110_2: C110.2 U27.6 | length 3.2
  Component Side w0.152: U27.6@-8.89,38.759 C110.2@-8.89,41.91
NetC111_2: C111.2 U27.8 | length 3.2
  Component Side w0.152: U27.8@-11.43,38.758 C111.2@-11.43,41.91
NetC126_2: C126.2 U30.3 | length 2.3
  Component Side w0.203: U30.3@15.629,11.427 15.629,10.152 C126.2@16.383,9.398
NetD1_1: D1.1 R20.2 | length 1.7
  Component Side w0.254: D1.1@-45.316,39.431 R20.2@-45.316,41.164
NetD3_1: D3.1 R17.2 R47.1 | length 5.7
  Component Side w0.152: R47.1@33.646,10.502 D3.1@36.485,10.502 36.485,12.037 R17.2@35.551,12.97
NetD3_2: D3.2 Q7.1 R46.1 | length 11.5
  Component Side w0.152: v1(32.385,14.605) 33.02,13.97 R46.1@33.646,13.97 33.646,15.37 Q7.1@33.651,15.375 ; D3.2@38.385,10.502 v1(38.385,12.07)
  Solder Side w0.152: v1(32.385,14.605) 34.92,12.07 v1(38.385,12.07)
NetD4_1: D4.1 L7.2 U13.1 | length 10.3
  Component Side w0.381: U13.1@1.903,44.945 1.903,47.625 0.823,48.705 D4.1@0.823,50.792 3.563,50.792 3.808,50.546 L7.2@3.808,49.625
NetJ1_1: J1.1 U2.M2 | length 19.4
  Component Side w0.152: U2.M2@45.085,36.838 v1(45.72,36.204)
  Solder Side w0.152: J1.1@35.56,28.575 36.83,29.845 39.37,29.845 40.003,29.212 45.708,29.212 46.349,29.853 46.349,35.574 v1(45.72,36.204)
NetJ6_27: J6.27 U18.4 | length 86.8
  Component Side w0.152: v1(-19.051,75.819) -19.051,75.311 v1(-17.146,73.406) ; v1(23.495,75.565) v1(31.75,75.565) ; v1@36.195,71.12 39.37,67.945 51.435,67.945 52.959,66.421 52.959,64.397 52.697,64.135 U18.4@52.062,64.135
  Solder Side w0.152: v1(-19.051,75.819) 22.225,75.819 22.479,75.565 v1(23.495,75.565) ; v1(-17.146,73.406) -16.89,73.15 -15.753,72.013 J6.27@-15.753,69.342 ; v1(31.75,75.565) 31.755,75.565 v1(36.195,71.125)
NetJ6_28: J6.28 U19.4 | length 92.2
  Component Side w0.152: v1(-19.939,75.819) -19.939,74.803 v1(-18.161,73.025) ; v1(22.86,76.2) v1(32.385,76.2) ; v1@36.83,71.755 40,68.585 54.986,68.585 57.531,66.04 57.531,64.516 57.15,64.135 U19.4@56.51,64.135
  Solder Side w0.152: v1(-19.939,75.819) -19.431,76.327 -18.161,76.327 -18.034,76.2 v1(22.86,76.2) ; v1(-18.161,73.025) -17.252,72.116 J6.28@-17.252,69.342 ; v1(32.385,76.2) 32.39,76.2 v1(36.83,71.76)
NetJ14_2: J14.2 J15.1 R31.1 | length 5
  Component Side w0.381: v1(-50.927,30.48) -50.927,29.967 -50.678,29.718 -48.49,29.718 -47.728,30.48 R31.1@-46.878,30.48
  other v1: -52.07,30.48 -52.07,31.75 -50.927,31.75 -52.09,35.56 -50.947,35.56 -52.09,36.83 -50.947,36.83
NetJ18_1: J18.1 U15.20 | length 14.1
  Component Side w0.203: J18.1@-57.785,15.24 -57.785,13.978 -59.055,12.708 -59.055,7.612 -57.997,6.554 U15.20@-53.54,6.554
NetJ18_2: J18.2 U15.19 | length 14
  Component Side w0.203: J18.2@-55.245,15.24 -58.428,12.057 -58.428,7.758 -57.625,6.954 U15.19@-53.54,6.954
NetL1_1: L1.1 R36.2
NetL9_1: L9.1 U17.7
NetLED1_2: LED1.2 R153.1 | length 1.5
  Component Side w0.152: LED1.2@8.757,2.667 R153.1@8.757,4.207